# Altium PCB RFFE_Controller.PcbDoc (part 1 of 2)
Units mm, origin at the board's own origin, x right, y up, seen from the top; angles counter-clockwise.
Board outline 87 x 105 mm, 4 copper layers (Top Layer, MidLayer1, MidLayer2, Bottom Layer), stack 1.642 mm thick; 103 components, 94 nets, 420 pads, 1683 vias.
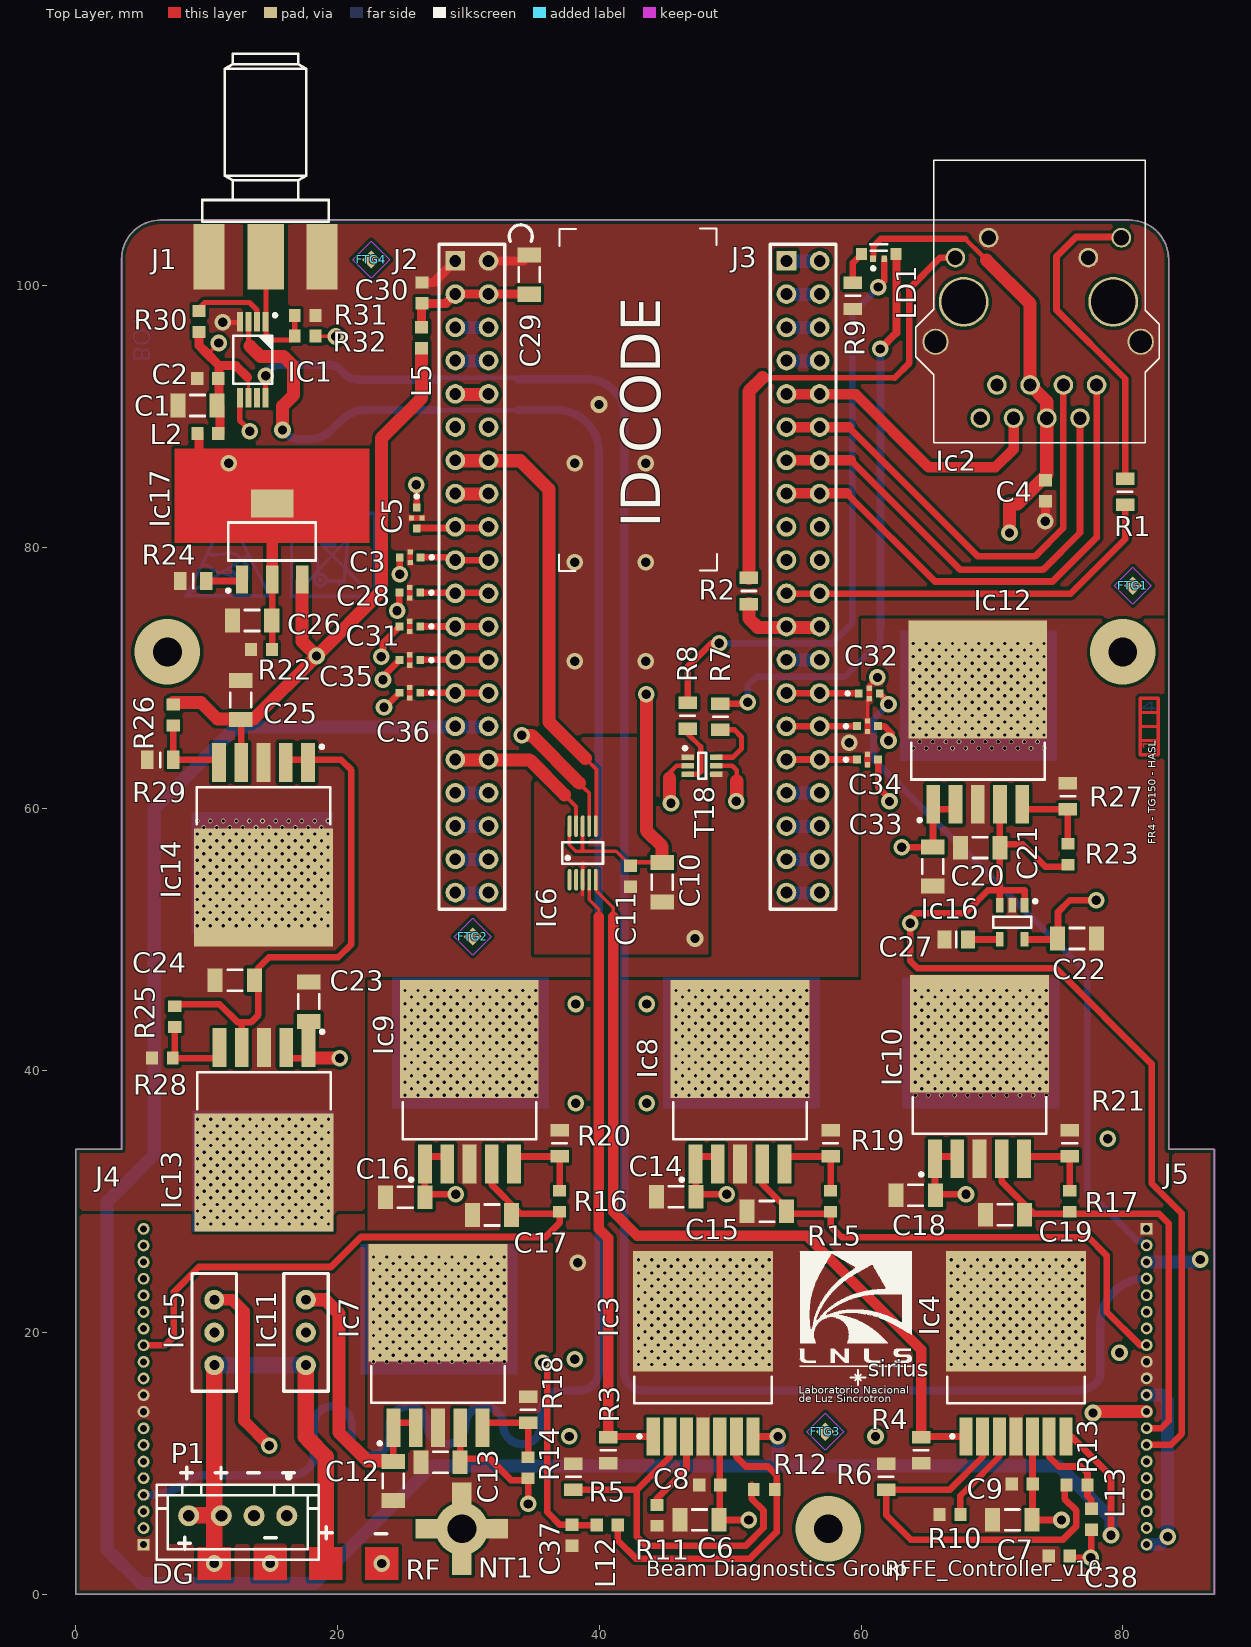
[diagram p0: Top Layer view]
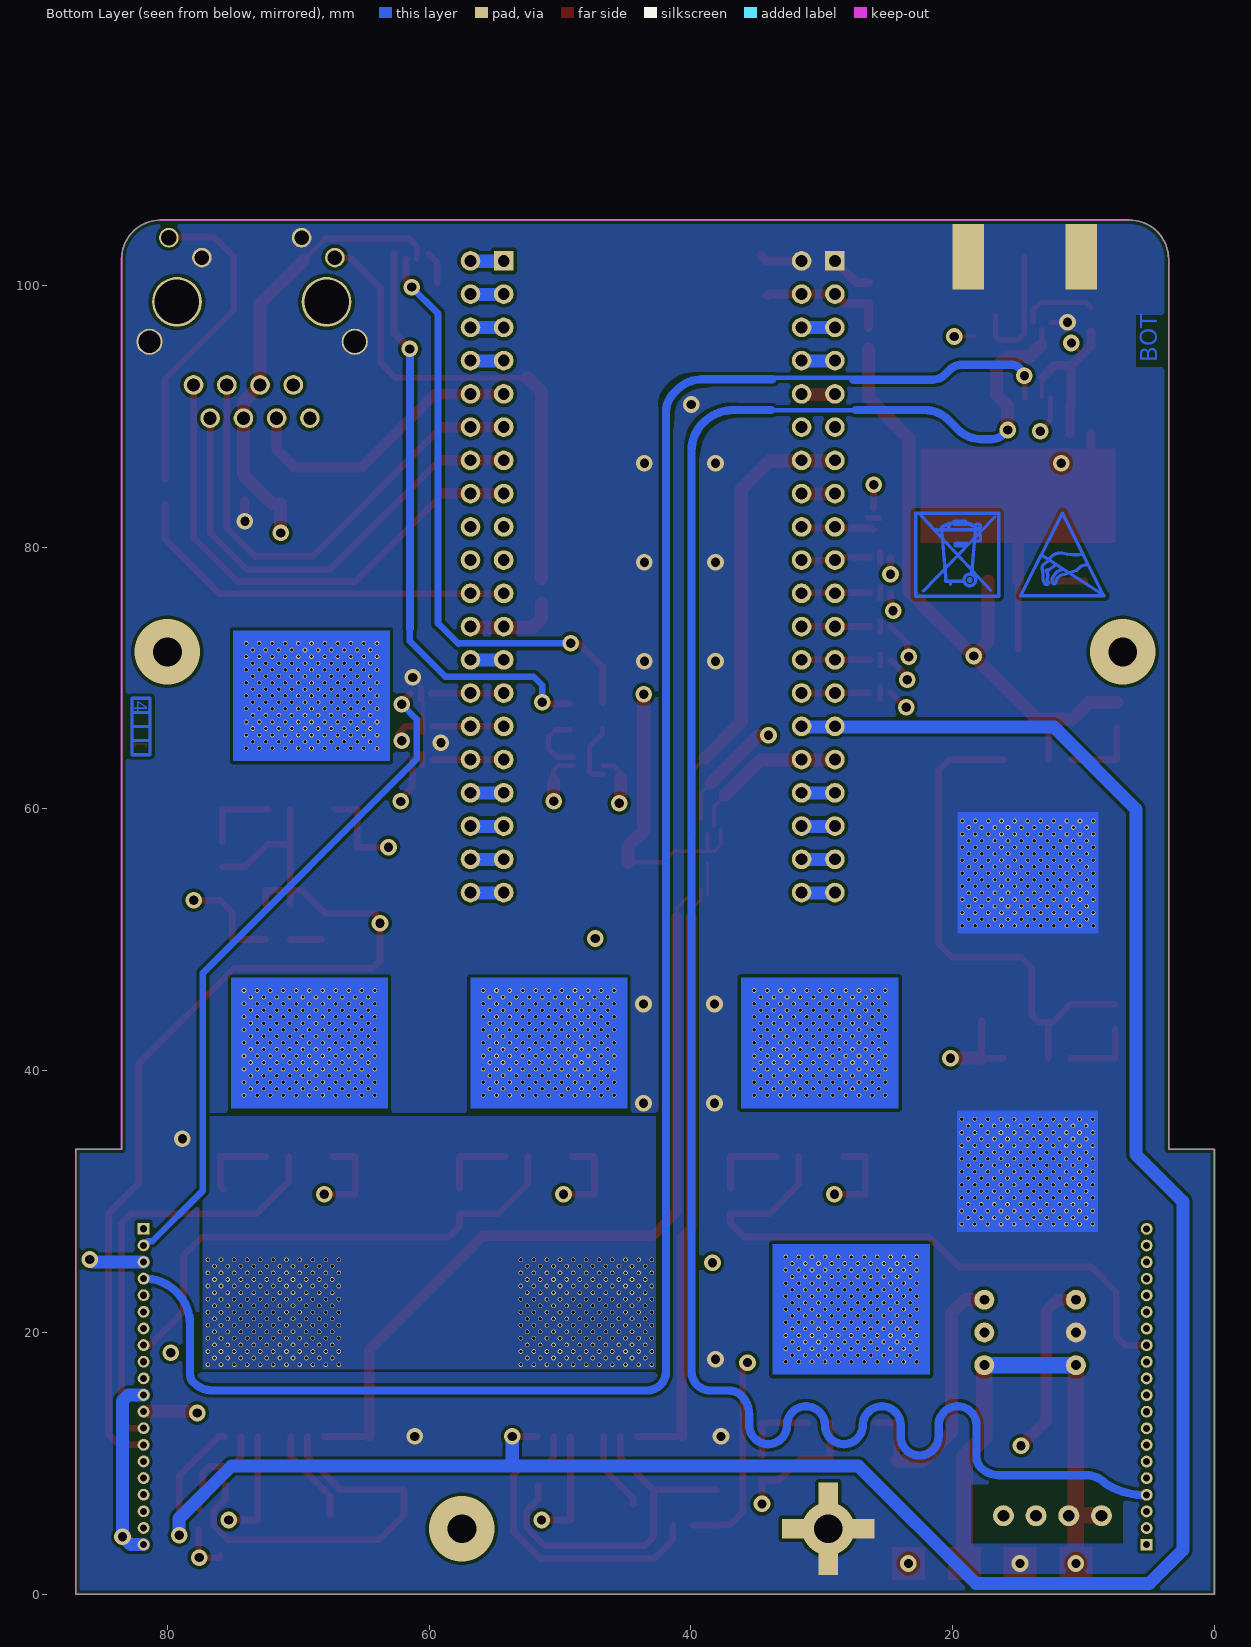
[diagram p1: Bottom Layer view, seen from below]
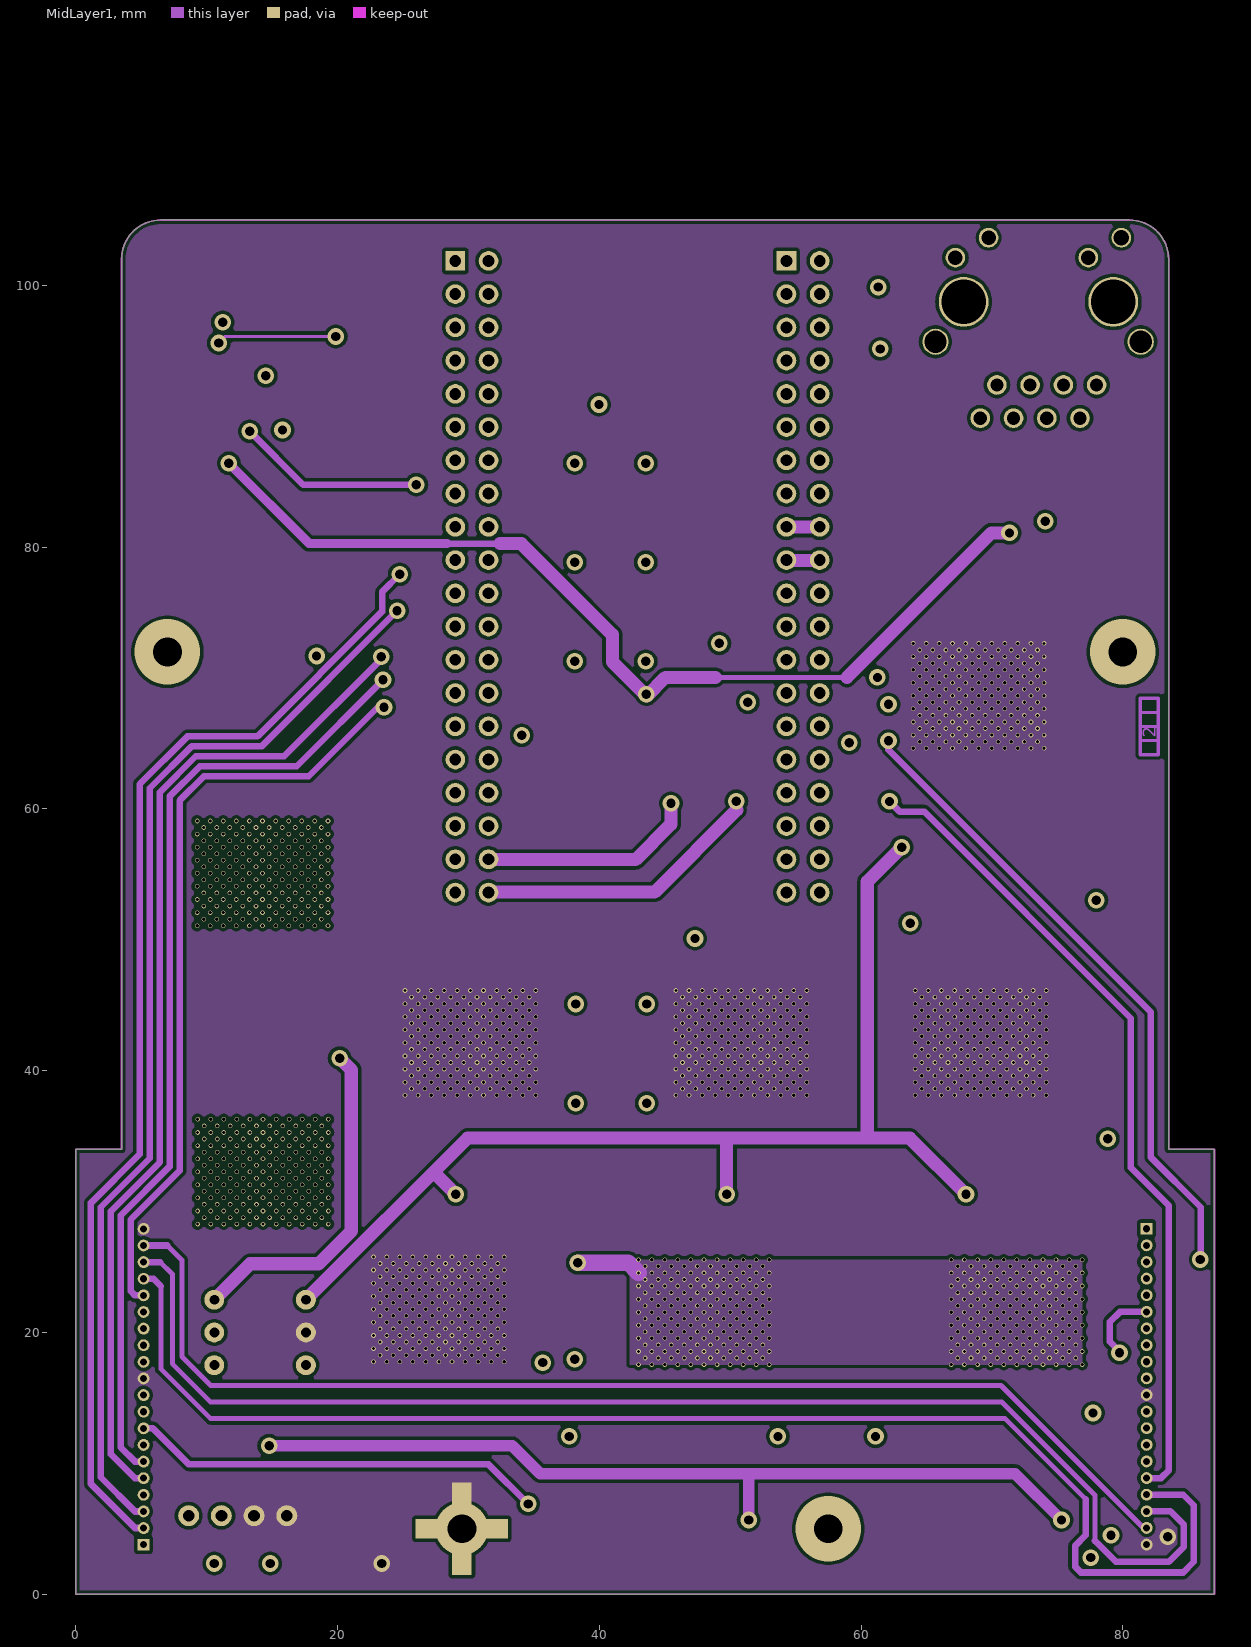
[diagram p2: MidLayer1]
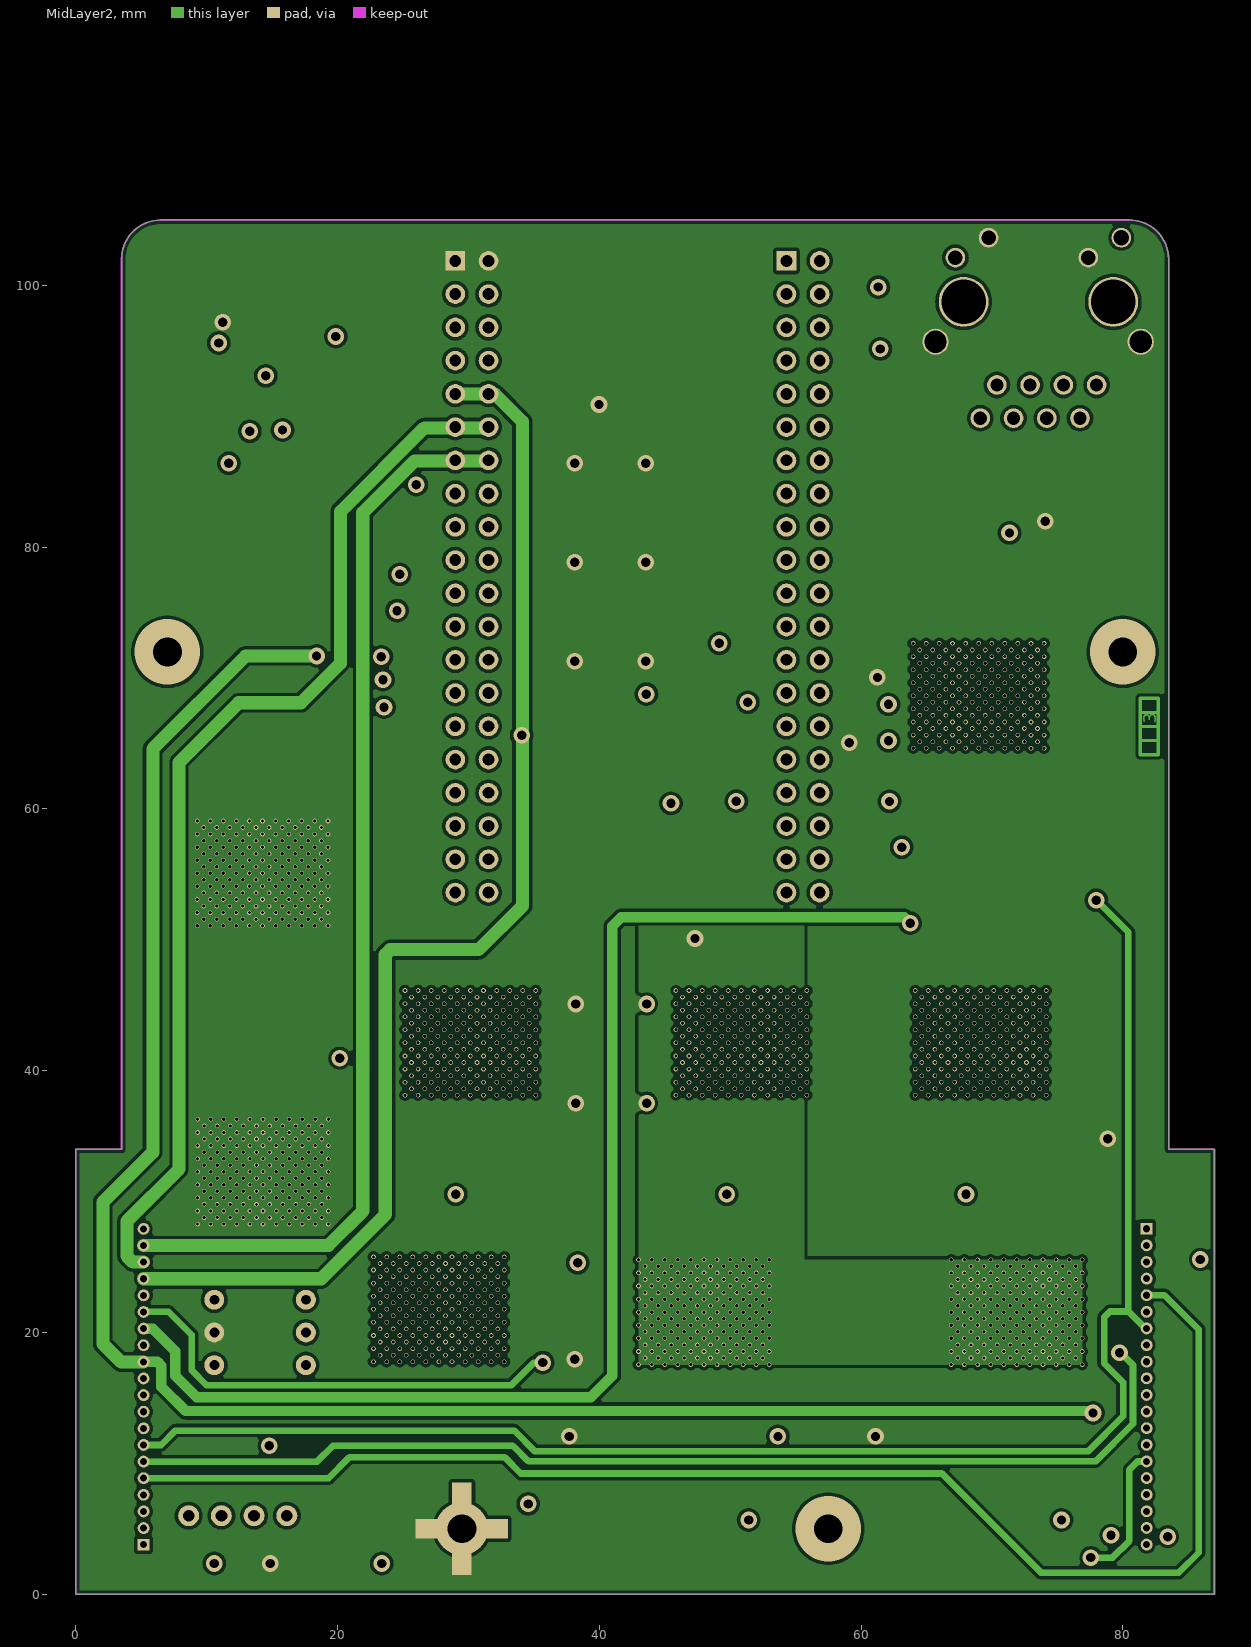
[diagram p3: MidLayer2]
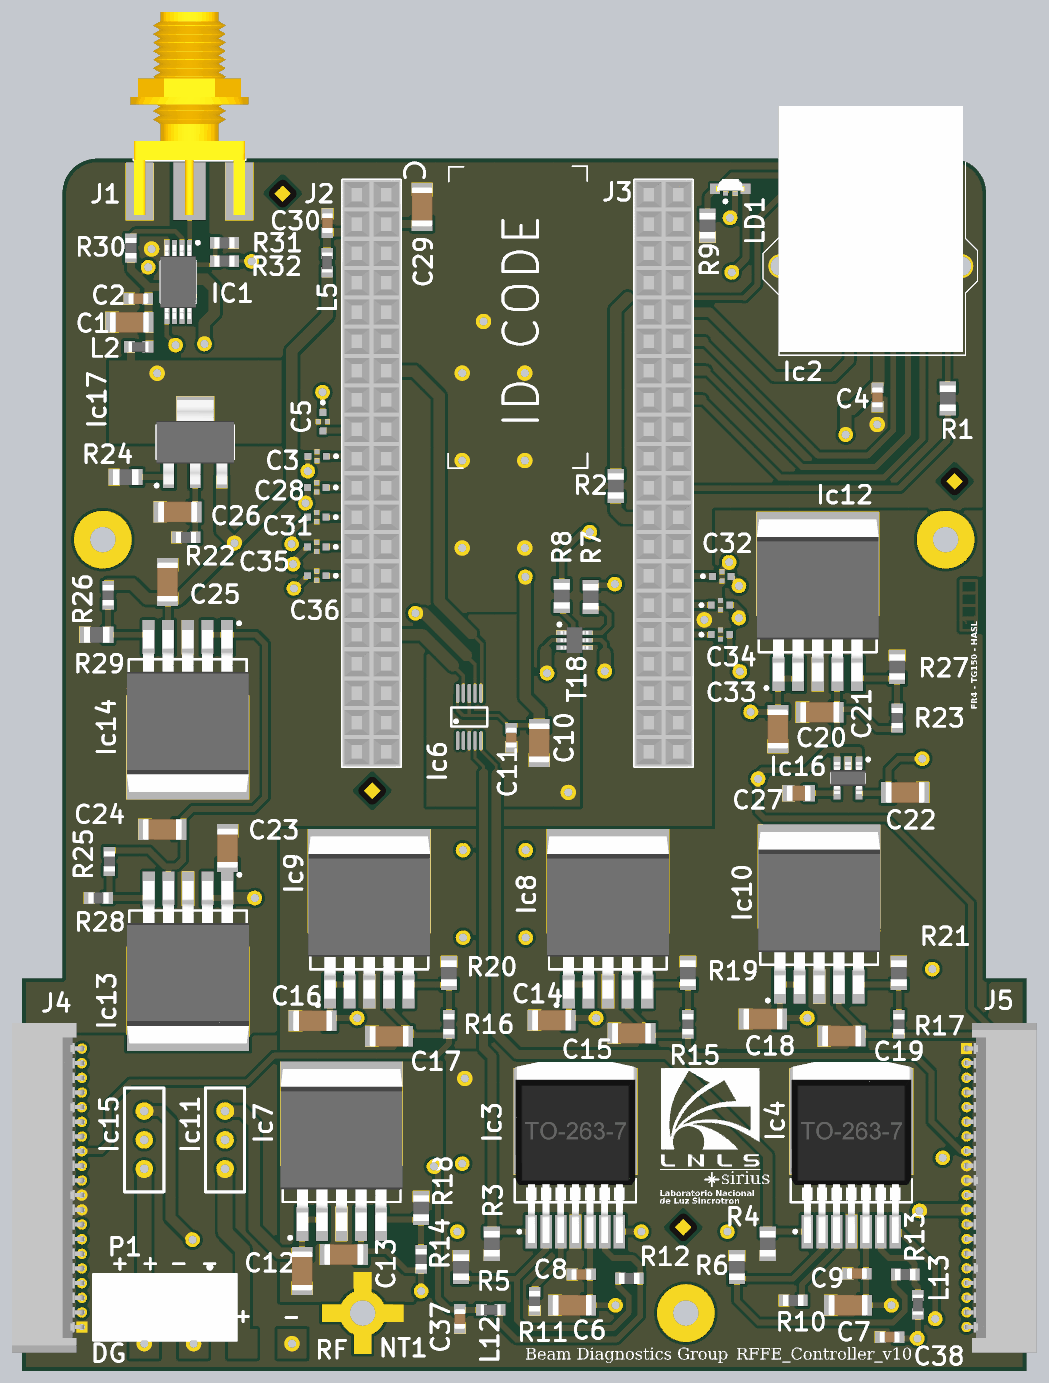
[diagram p5: 3D render of the assembled board from above, using the file's embedded part models]

## Layer stack, top to bottom
Top Solder: solder mask 0.0102, Solder Resist, Dk 3.5
Top Layer: signal copper 0.0356
Dielectric1: core 0.5, FR-4, Dk 4.8
MidLayer1: signal copper 0.0356
Dielectric2: prepreg 0.5, FR-4, Dk 4.8
MidLayer2: signal copper 0.0356
Dielectric3: core 0.5, FR-4, Dk 4.8
Bottom Layer: signal copper 0.0356
Bottom Solder: solder mask 0.0102, Solder Resist, Dk 3.5

## Board outline
0,0 0,34 3.5,34 3.5,102 cw(c6.5,102) 6.5,105 80.5,105 cw(c80.5,102) 83.5,102 83.5,34 87,34 87,0

## Design rules (kind name [scope] priority, off if disabled: settings)
Clearance Clearance_3 [InComponent('J1') or InComponent('RFFE_v2_AC')] p1: gap=0 ignorepadtopadclearanceinfootprint=FALSE
Clearance [InComponent('Ic6') or InComponent('T18')or InComponent('LD1') or InComponent('Ic1')] p2: gap=0.2 ignorepadtopadclearanceinfootprint=FALSE except(0: Arc-Hole Track-Hole SMDPad-Hole THPad-Hole Via-Hole Fill-Hole Poly-Hole Region-Hole Text-Hole)
Clearance Clearance_1 [All] p3: gap=0.254 ignorepadtopadclearanceinfootprint=FALSE except(0: Arc-Hole Track-Hole SMDPad-Hole THPad-Hole Via-Hole Fill-Hole Poly-Hole Region-Hole Text-Hole)
HoleSize [All] p1: absolutevalues=TRUE maxlimit=3.81 minlimit=0.025 maxpercent=80.000 minpercent=20.000
MinimumSolderMaskSliver [All] p1: minsoldermaskwidth=0
PlaneConnect [All] p1: planeconnectstyle=Direct reliefexpansion=0.508 reliefentries=4 reliefconductorwidth=0.254 reliefairgap=0.254
PolygonConnect [All] p1: connectstyle=Direct reliefconductorwidth=0.254 reliefentries=4 polygonreliefangle="90 Angle" airgapwidth=0.254
RoutingVias [All] p1: holewidth=0.711 width=1.27 viastyle="Through Hole" minholewidth=0.711 minwidth=1.27 maxholewidth=0.711 maxwidth=1.27
ShortCircuit [All] p1: allowed=TRUE
SilkToSilkClearance [All] p1: silktosilkclearance=0
SilkToSolderMaskClearance [IsPad] p1: minsilkscreentomaskgap=0.1 clearancetoexposedcopper=TRUE
SolderMaskExpansion [All] p1: expansion=0.03
Width [All] p1: maxlimit=1.27 minlimit=0.203 preferedwidth=0.381
24 further rules are at their usual default settings.

## Components (designator, comment, footprint, x,y, rotation, side; value= is the part's Value field where it differs from the comment)
C1 "10uF" CAPC3216X180N 9.3,90.825 r0 top
C2 "100nF" CAPC1608X87N 10.075,92.875 r0 top
C3 "110pF/350nF" CAPC_MURATA_NFL18ST 25.55,79.225 r180 top
C4 "100nF" CAPC1608X87N 74.1,84.325 r90 top
C5 "110pF/350nF" CAPC_MURATA_NFL18ST 26.05,82.225 r270 top
C6 "10uF" CAPC3216X180N 47.652,5.675 r0 top
C7 "10uF" CAPC3216X180N 71.555,5.675 r0 top
C8 "100nF" CAPC1608X87N 48.45,8.35 r0 top
C9 "100nF" CAPC1608X87N 72.325,8.425 r0 top
C10 "10uF" CAPC3216X180N 44.8,54.4 r90 top
C11 "100nF" CAPC1608X87N 42.375,54.85 r90 top
C12 "10uF" CAPC3216X180N 24.262,8.651 r90 top
C13 "10uF" CAPC3216X180N 27.875,10.075 r0 top
C14 "10uF" CAPC3216X180N 45.875,30.375 r0 top
C15 "10uF" CAPC3216X180N 52.8,29.25 r0 top
C16 "10uF" CAPC3216X180N 25.175,30.325 r0 top
C17 "10uF" CAPC3216X180N 31.8,28.975 r0 top
C18 "10uF" CAPC3216X180N 64.175,30.475 r0 top
C19 "10uF" CAPC3216X180N 71,29 r0 top
C20 "10uF" CAPC3216X180N 65.475,55.6 r90 top
C21 "10uF" CAPC3216X180N 69.1,57.05 r0 top
C22 "10uF" CAPC3216X180N 76.5,50.1 r180 top
C23 "10uF" CAPC3216X180N 17.8,45.275 r270 top
C24 "10uF" CAPC3216X180N 12.15,46.9 r0 top
C25 "10uF" CAPC3216X180N 12.6,68.325 r270 top
C26 "10uF" CAPC3216X180N 13.475,74.4 r0 top
C27 "10nF" CAPC2012X135N 67.279,50.031 r0 top
C28 "110pF/350nF" CAPC_MURATA_NFL18ST 25.525,76.525 r180 top
C29 "10uF" CAPC3216X180N 34.65,100.825 r270 top
C30 "100nF" CAPC1608X87N 26.45,99.425 r270 top
C31 "110pF/350nF" CAPC_MURATA_NFL18ST 25.525,73.95 r180 top
C32 "110pF/350nF" CAPC_MURATA_NFL18ST 60.625,68.825 r0 top
C33 "110pF/350nF" CAPC_MURATA_NFL18ST 60.5,63.775 r0 top
C34 "110pF/350nF" CAPC_MURATA_NFL18ST 60.5,66.325 r0 top
C35 "110pF/350nF" CAPC_MURATA_NFL18ST 25.525,71.375 r180 top
C36 "110pF/350nF" CAPC_MURATA_NFL18ST 25.525,68.875 r180 top
C37 "100nF" CAPC1608X87N 37.925,4.5 r90 top
C38 "100nF" CAPC1608X87N 75.15,2.925 r0 top
FTG1 "Use only in PCB" FIDUCIAL_TOP_S100-200 80.775,77.05 r90 top
FTG2 "Use only in PCB" FIDUCIAL_TOP_S100-200 30.325,50.25 r90 top
FTG3 "Use only in PCB" FIDUCIAL_TOP_S100-200 57.275,12.425 r90 top
FTG4 "Use only in PCB" FIDUCIAL_TOP_S100-200 22.575,101.975 r90 top
IC1 "CDCLVC1103PW" SOP65P640X120-8N 13.525,94.325 r270 top
Ic2 "RJ45" J0006D21BNL 78,92.395 r270 top locked
Ic3 "OPA548FKTWT" TO-263-7-D2PAK-7 47.929,18.41 r90 top
Ic4 "OPA548FKTWT" TO-263-7-D2PAK-7 71.832,18.41 r90 top
Ic6 "DAC7554IDGS" 10-MSOP 38.732,56.638 r90 top
Ic7 "LT1764AEQ#PBF" TO170P1394X457-6N-R900X1060 27.675,19.025 r90 top
Ic8 "LT1764AEQ#PBF" TO170P1394X457-6N-R900X1060 50.75,39.175 r90 top
Ic9 "LT1764AEQ#PBF" TO170P1394X457-6N-R900X1060 30.075,39.175 r90 top
Ic10 "LT1764AEQ#PBF" TO170P1394X457-6N-R900X1060 69.05,39.575 r90 top
Ic11 "EMI101T-RC" Filter_EMI_Radial-3 17.583,20 r90 top
Ic12 "LT1764AEQ#PBF" TO170P1394X457-6N-R900X1060 68.925,66.65 r90 top
Ic13 "LT1764AEQ#PBF" TO170P1394X457-6N-R900X1060 14.375,35.475 r270 top
Ic14 "LT1764AEQ#PBF" TO170P1394X457-6N-R900X1060 14.35,57.25 r270 top
Ic15 "EMI101T-RC" Filter_EMI_Radial-3 10.583,20 r90 top
Ic16 "TPS73030DBVT" SOT95P280X145-5N 71.55,51.35 r270 top (schematic designator IC16)
Ic17 "LT3080EST#PBF" SOT230P700X180-4N 15,80.438 r90 top (schematic designator IC17)
J1 "SMA" JOHNSON_142-0701-873 14.5,102.175 r270 top
J2 "Familly" TYCO_2-534998-0 29,101.875 r0 top
J3 "Familly" TYCO_2-534998-0 54.3,101.875 r0 top
J4 "Header 20" SAMTEC_TFM-120-01-L-S-RA 4.7,15.856 r90 top locked
J5 "Header 20" SAMTEC_TFM-120-01-L-S-RA 82.3,15.856 r270 top locked
L2 "1000R@100MHz" INDC1608X95N 10.1,88.7 r0 top
L5 "1000R@100MHz" INDC1608X95N 26.425,96 r90 top
L12 "1000R@100MHz" INDC1608X95N 40.6,5.275 r180 top
L13 "1000R@100MHz" INDC1608X95N 77.6,5.725 r270 top
LD1 "Blue/Red/Green" LED_AVAGO_HSMF-C113 61.35,102.4 r0 top
NT1 "Net Tie X 4 and hole 2.2" "Net Tie X 4 and hole 2.2" 29.5,5 r270 top net-tie
P1 "Header 4" JST_B4B-XH-A(LF)(SN) 12.375,6 r180 top
R1 "220" RESC2012X60N 80.183,84.241 r270 top
R2 "220" RESC2012X60N 51.425,76.65 r270 top
R3 "10k" RESC2012X60N 40.685,11.009 r90 top
R4 "10k" RESC2012X60N 64.588,11.009 r90 top
R5 "10k" RESC2012X60N 38.018,8.977 r90 top
R6 "10k" RESC2012X60N 61.921,8.977 r90 top
R7 "220" RESC2012X60N 49.25,67.05 r90 top
R8 "220" RESC2012X60N 46.75,67.125 r90 top
R9 "220" RESC2012X60N 59.375,99.2 r90 top
R10 "47k" RESC1608X55N 66.8,6.1 r0 top
R11 "47k" RESC1608X55N 44.4,6.025 r90 top
R12 "20k" RESC1608X55N 52.6,8 r0 top
R13 "20k" RESC1608X55N 76.506,8.342 r0 top
R14 "4k7" RESC1608X55N 34.569,9.667 r270 top
R15 "4k7" RESC1608X55N 57.675,30.022 r270 top
R16 "4k7" RESC1608X55N 36.974,30.022 r270 top
R17 "4k7" RESC1608X55N 75.947,30.022 r270 top
R18 "1k5" RESC2012X60N 34.569,14.096 r270 top
R19 "1k5" RESC2012X60N 57.675,34.451 r270 top
R20 "1k5" RESC2012X60N 36.974,34.451 r270 top
R21 "1k5" RESC2012X60N 75.947,34.451 r270 top
R22 "1k" RESC1608X55N 14.196,72.197 r0 top
R23 "4k7" RESC1608X55N 75.804,56.541 r270 top
R24 "330k" RESC2012X60N 8.97,77.413 r0 top
R25 "4k7" RESC1608X55N 7.566,44.132 r90 top
R26 "4k7" RESC1608X55N 7.452,67.186 r90 top
R27 "1k5" RESC2012X60N 75.804,60.97 r270 top
R28 "1k" RESC1608X55N 6.616,40.957 r180 top
R29 "1k5" RESC2012X60N 6.452,63.757 r0 top
R30 "4k7" RESC1608X55N 9.425,97.25 r270 top
R31 "100" RESC1608X55N 17.525,97.7 r180 top
R32 "100" RESC1608X55N 17.525,96.125 r0 top
T18 "PMGD280UN" SOT65P210X110-6N 47.85,63.3 r0 top
